# Altium PCB 20bit_40MS_ADC_DIOT_iso.PcbDoc (part 1 of 3) (continued)
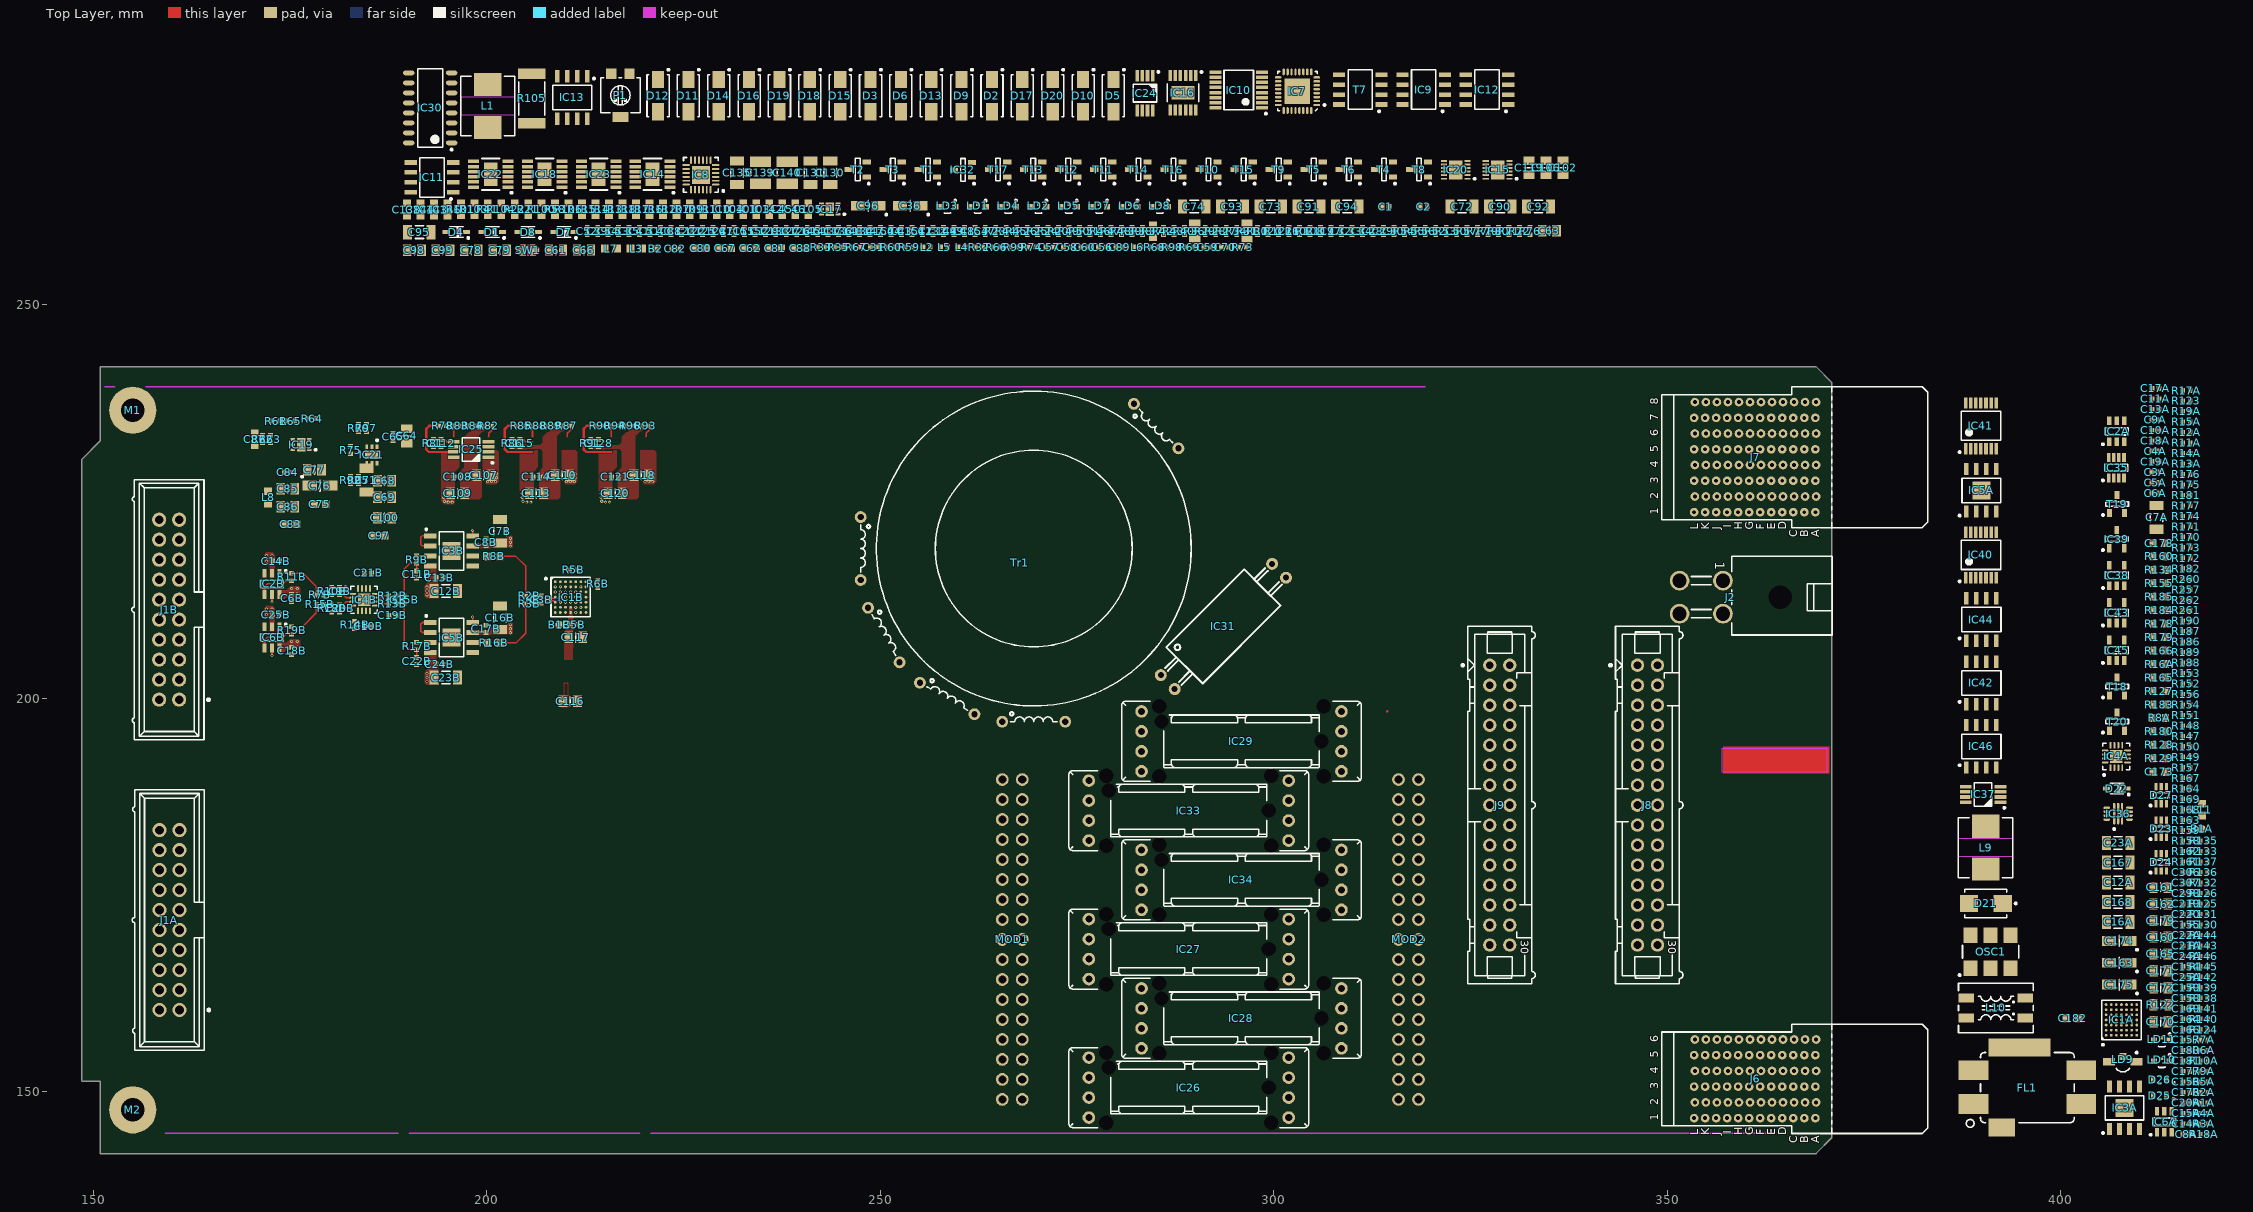
[diagram p0: Top Layer view]
## Components (designator, comment, footprint, x,y, rotation, side; value= is the part's Value field where it differs from the comment) (continued)
C75 "4.7uF" CAPC1608X90N 178.8,224.6 r0 top
C76 "10uF" CAPMP3216X180N 178.8,227 r0 top
C77 "10uF" CAPC2012X95N 178.1,229 r0 top
C78 "10uF" CAPC2012X95N 198.028,256.885 r180 top
C79 "10uF" CAPC2012X95N 201.639,256.885 r180 top
C80 "4.7uF" CAPC1608X90N 227.154,257.135 r180 top
C81 "4.7uF" CAPC1608X90N 236.637,257.135 r180 top
C82 "100nF" CAPC1005X55N 223.943,257.11 r180 top
C83 "4.7uF" CAPC1608X90N 175.1,222.1 r0 top
C84 "10nF" CAPC1005X55N 174.7,228.7 r180 top
C85 "10uF" CAPC2012X95N 174.7,226.6 r180 top
C86 "10uF" CAPC2012X95N 174.7,224.3 r180 top
C87 "4.7uF" CAPC1608X90N 170.5,232.9 r90 top
C88 "4.7uF" CAPC1608X90N 239.799,257.135 r180 top
C89 "10nF" CAPC1005X55N 280.425,257.3 r180 top
C90 "47uF" CAPC3216X180N 328.784,262.454 r180 top
C91 "47uF" CAPC3216X180N 304.478,262.454 r180 top
C92 "47uF" CAPC3216X180N 333.645,262.454 r180 top
C93 "47uF" CAPC3216X180N 294.755,262.454 r180 top
C94 "47uF" CAPC3216X180N 309.339,262.454 r180 top
C95 "47uF" CAPC3216X180N 191.431,259.193 r180 top
C96 "10uF" CAPMP3216X180N 248.486,262.556 r180 top
C97 "4.7uF" CAPC1608X90N 186.3,220.6 r180 top
C98 "10uF" CAPC2012X95N 190.806,256.885 r180 top
C99 "10uF" CAPC2012X95N 194.417,256.885 r180 top
C100 "10uF" CAPC2012X95N 187,222.9 r0 top
C101 "4.7uF" CAPC1608X90N 232.561,262.129 r270 top
C102 "22uF" CAPC2012X135N 336.736,267.412 r270 top
C103 "4.7uF" CAPC1608X90N 234.222,262.129 r270 top
C104 "4.7uF" CAPC1608X90N 230.899,262.129 r270 top
C105 "4.7uF" CAPC1608X90N 240.867,262.129 r270 top
C106 "10uF" CAPC2012X95N 334.599,267.387 r270 top
C107 "10uF" CAPC2012X95N 199.6,228.3 r0 top
C108 "10nF" CAPC1005X55N 196.3,228.1 r180 top
C109 "10uF" CAPC2012X95N 196.3,226 r180 top
C110 "10uF" CAPC2012X95N 209.6,228.3 r0 top
C111 "10nF" CAPC1005X55N 231.396,259.333 r270 top
C112 "100nF" CAPC1005X55N 194.2,232.4 r90 top
C113 "47uF" CAPC2012X140N 206.3,226 r180 top
C114 "10nF" CAPC1005X55N 206.3,228.1 r180 top
C115 "100nF" CAPC1005X55N 204.2,232.4 r90 top
C116 "47uF" CAPC2012X140N 210.6,199.6 r180 top
C117 "10uF" CAPC2012X95N 211.3,207.7 r180 top
C118 "10uF" CAPC2012X95N 219.6,228.3 r0 top
C119 "10uF" CAPC2012X95N 332.438,267.387 r270 top
C120 "10uF" CAPC2012X95N 216.3,226 r180 top
C121 "100nF" CAPC1005X55N 216.3,228.1 r180 top
C122 "100nF" CAPC1005X55N 226.071,259.333 r270 top
C123 "1uF" CAPC1005X55N 224.74,259.333 r270 top
C124 "100nF" CAPC1005X55N 228.733,259.333 r270 top
C125 "1uF" CAPC1005X55N 227.402,259.333 r270 top
C126 "100nF" CAPC1005X55N 239.383,259.333 r270 top
C127 "100nF" CAPC1005X55N 238.052,259.333 r270 top
C128 "100nF" CAPC1005X55N 214.2,232.4 r90 top
C129 "1uF" CAPC1005X55N 235.389,259.333 r270 top
C130 "10uF" CAPC3216X180N 243.65,266.762 r270 top
C131 "47uF" CAPC3216X180N 241.139,266.762 r270 top
C132 "100nF" CAPC1005X55N 256.688,259.333 r270 top
C133 "100nF" CAPC1005X55N 236.72,259.333 r270 top
C134 "1uF" CAPC1005X55N 247.37,259.333 r270 top
C135 "10uF" CAPC3216X180N 231.805,266.762 r270 top
C136 "100nF" CAPC1005X55N 244.708,259.333 r270 top
C137 "100nF" CAPC1005X55N 243.376,259.333 r270 top
C138 "270pF" CAPC1608X87N 189.856,262.079 r270 top
C139 "220pF" CAPC3225X200N 234.766,266.762 r270 top
C140 "220pF" CAPC3225X200N 238.178,266.762 r270 top
C141 "100nF" CAPC1005X55N 242.045,259.333 r270 top
C142 "1nF" CAPC1608X90N 235.883,262.129 r270 top
C143 "1uF" CAPC1608X87N 193.278,262.079 r270 top
C144 "1uF" CAPC1608X87N 191.567,262.079 r270 top
C145 "100nF" CAPC1005X55N 240.714,259.333 r270 top
C146 "270pF" CAPC1608X87N 194.989,262.079 r270 top
C147 "100nF" CAPC1005X55N 248.701,259.333 r270 top
C148 "100nF" CAPC1005X55N 246.039,259.333 r270 top
C149 "100nF" CAPC1005X55N 258.02,259.333 r270 top
C150 "1uF" CAPC1005X55N 250.032,259.333 r270 top
C151 "100nF" CAPC1005X55N 254.026,259.333 r270 top
C152 "1uF" CAPC1005X55N 234.058,259.333 r270 top
C153 "100nF" CAPC1005X55N 262.013,259.333 r270 top
C154 "100nF" CAPC1005X55N 415.972,165.865 r180 top
C155 "100nF" CAPC1005X55N 415.972,171.19 r180 top
C156 "100nF" CAPC1005X55N 415.972,151.222 r180 top
C157 "100nF" CAPC1005X55N 415.972,156.546 r180 top
C158 "100nF" CAPC1005X55N 415.972,161.871 r180 top
C159 "100nF" CAPC1005X55N 415.972,163.202 r180 top
C160 "22uF" CAPC2012X135N 412.704,169.605 r180 top
C161 "22uF" CAPC2012X135N 412.704,175.938 r180 top
C162 "22uF" CAPC2012X135N 412.704,173.827 r180 top
C163 "10uF" CAPMP3216X180N 407.421,166.361 r180 top
C164 "100nF" CAPC1005X55N 415.972,159.209 r180 top
C165 "22uF" CAPC2012X135N 412.704,167.494 r180 top
C166 "100nF" CAPC1005X55N 415.972,157.878 r180 top
C167 "47uF" CAPC3216X180N 407.296,179.087 r180 top
C168 "47uF" CAPC3216X180N 407.296,174.064 r180 top
C169 "100nF" CAPC1005X55N 415.972,160.54 r180 top
C170 "10uF" CAPC2012X95N 412.729,158.874 r180 top
C171 "10uF" CAPC2012X95N 412.729,165.357 r180 top
C172 "10uF" CAPC2012X95N 412.729,163.196 r180 top
C173 "1uF" CAPC1608X87N 412.554,190.624 r180 top
C174 "4.7uF" CAPMP3216X180N 407.421,169.144 r180 top
C175 "10uF" CAPMP3216X180N 407.421,163.578 r180 top
C176 "100nF" CAPC1005X55N 415.972,149.89 r180 top
C177 "100nF" CAPC1005X55N 415.972,152.553 r180 top
C178 "4.7uF" CAPC1608X90N 412.504,219.689 r180 top
C179 "22uF" CAPC2012X135N 412.704,171.716 r180 top
C180 "100nF" CAPC1005X55N 415.972,155.215 r180 top
C181 "100nF" CAPC1005X55N 415.972,153.884 r180 top
C182 "1uF" CAPC1608X87N 401.5,159.3 r180 top
C219 "100nF" CAPC1005X55N 415.972,173.852 r180 top
C220 "100nF" CAPC1005X55N 415.972,172.521 r180 top
C298 "100nF" CAPC1005X55N 415.972,175.183 r180 top
C306 "100nF" CAPC1005X55N 415.972,177.846 r180 top
C307 "100nF" CAPC1005X55N 415.972,176.514 r180 top
D1 "BAT165" SOD2512X110N 200.698,259.22 r180 top
D2 "SS16" DIOM5127X229N 264.192,276.542 r270 top
D3 "SS16" DIOM5127X229N 248.76,276.542 r270 top
D4 "BAT165" SOD2512X110N 196.14,259.22 r180 top
D5 "SS16" DIOM5127X229N 279.624,276.542 r270 top
D6 "SS16" DIOM5127X229N 252.618,276.542 r270 top
D7 "BAT165" SOD2512X110N 209.814,259.22 r180 top
D8 "BAT165" SOD2512X110N 205.256,259.22 r180 top
D9 "SS16" DIOM5127X229N 260.334,276.542 r270 top
D10 "SS16" DIOM5127X229N 275.766,276.542 r270 top
D11 "SS16" DIOM5127X229N 225.612,276.542 r270 top
D12 "SS16" DIOM5127X229N 221.754,276.542 r270 top
D13 "SS16" DIOM5127X229N 256.476,276.542 r270 top
D14 "SS16" DIOM5127X229N 229.47,276.542 r270 top
D15 "SS16" DIOM5127X229N 244.902,276.542 r270 top
D16 "SS16" DIOM5127X229N 233.328,276.542 r270 top
D17 "SS16" DIOM5127X229N 268.05,276.542 r270 top
D18 "SS16" DIOM5127X229N 241.044,276.542 r270 top
D19 "SS16" DIOM5127X229N 237.186,276.542 r270 top
D20 "SS16" DIOM5127X229N 271.908,276.542 r270 top
D21 "SMBJ12A" DIOM5336X265N 390.483,173.906 r180 top
D22 "BAT165" SOD2512X110N 407.144,188.49 r180 top
D23 "PESD3V3L5UY" SOT65P210X110-6N 412.777,183.381 r90 top
D24 "PESD3V3L5UY" SOT65P210X110-6N 412.777,179.123 r90 top
D25 "CDBU0520-HF" SOD-523F 412.602,149.44 r180 top
D26 "CDBU0520-HF" SOD-523F 412.602,151.498 r180 top
D27 "PESD3V3L5UY" SOT65P210X110-6N 412.777,187.639 r90 top
FL1 "10A/50VDC" FIL_MURATA_BNX02 395.76,150.506 r180 top
IC1A "AD4080BBCZ" BGA49C65P7X7_500X500X138 407.719,159.095 r90 top (schematic designator IC1)
IC1B "AD4080BBCZ" BGA49C65P7X7_500X500X138 210.65,212.825 r0 top (schematic designator IC1)
IC2A "LT6236HS6#TRMPBF" SOT95P280X100-6N 407.119,233.899 r90 top (schematic designator IC2)
IC2B "LT6236HS6#TRMPBF" SOT95P280X100-6N 172.7,214.5 r270 top (schematic designator IC2)
IC3A "ADA4899-1YRDZ" SOIC127P600X175-9N-S229 408.119,147.929 r90 top (schematic designator IC3)
IC3B "ADA4899-1YRDZ" SOIC127P600X175-9N-S229 195.5,218.692 r0 top (schematic designator IC3)
IC4A "ADA4945-1ACPZ-R2" QFN50P300X300X80_HS-17N 407.071,192.573 r90 top (schematic designator IC4)
IC4B "ADA4945-1ACPZ-R2" QFN50P300X300X80_HS-17N 184.4,212.5 r0 top (schematic designator IC4)
IC5A "ADA4899-1YRDZ" SOIC127P600X175-9N-S229 389.908,226.39 r90 top (schematic designator IC5)
IC5B "ADA4899-1YRDZ" SOIC127P600X175-9N-S229 195.5,207.692 r0 top (schematic designator IC5)
IC6A "LT6236HS6#TRMPBF" SOT95P280X100-6N 413.177,146.156 r90 top (schematic designator IC6)
IC6B "LT6236HS6#TRMPBF" SOT95P280X100-6N 172.7,207.7 r270 top (schematic designator IC6)
IC7 "ADF4350BCPZ" QFN50P500X500X80-33N-S325 303.008,277.115 r180 top
IC8 "AD9508BCPZ" QFN50P400X400X80_HS-25N 227.196,266.487 r180 top
IC9 "FIN1027AMX" SOIC127P600X175-8N 319.049,277.317 r180 top
IC10 "74HC138PW" SOP65P640X110-16N 295.548,277.267 r180 top
IC11 "FIN1028MX" SOIC127P600X175-8N 193.029,266.164 r180 top
IC12 "FIN1028MX" SOIC127P600X175-8N 327.107,277.317 r180 top
IC13 "FIN1028MX" SOIC127P600X175-8N 210.859,276.317 r270 top
IC14 "LT3045EMSE" SOP65P490X110-13N-R175X294 221.061,266.564 r180 top
IC15 "LT3094EDD" SON45P300X300X80-13N-R175X248 328.454,267.114 r180 top
IC16 "LT3045EMSE" SOP65P490X110-13N-R175X294 288.465,276.917 r270 top
IC17 "LP5912-3.3DRVT" SON65P200X200X80-7N-R110X170 243.576,262.131 r180 top
IC18 "LT3045EMSE" SOP65P490X110-13N-R175X294 207.345,266.564 r180 top
IC19 "LP5912-3.3DRVT" SON65P200X200X80-7N-R110X170 176.4,232.2 r180 top
IC20 "LT3094EDD" SON45P300X300X80-13N-R175X248 323.121,267.114 r180 top
IC21 "LP5912-3.3DRVT" SON65P200X200X80-7N-R110X170 185.4,230.9 r270 top
IC22 "LT3045EMSE" SOP65P490X110-13N-R175X294 200.487,266.564 r180 top
IC23 "LT3045EMSE" SOP65P490X110-13N-R175X294 214.203,266.564 r180 top
IC24 "LTC6655BHMS8-3" SOP65P490X110-8N 283.632,276.867 r270 top
IC25 "LTC6655BHMS8-3" SOP65P490X110-8N 198,231.6 r180 top
IC26 "AFBR-390525RZ" BROADCOM_AFBR-390525RZ 289.2,150.5 r180 top
IC27 "AFBR-390525RZ" BROADCOM_AFBR-390525RZ 289.2,168.1 r180 top
IC28 "AFBR-390525RZ" BROADCOM_AFBR-390525RZ 295.9,159.3 r180 top
IC29 "AFBR-390525RZ" BROADCOM_AFBR-390525RZ 295.9,194.5 r180 top
IC30 "L6599AD" SOP127P600X175-16N 192.806,274.992 r180 top
IC31 "OPI1264C" OPI1264C 293.6,209.1 r225 top
IC32 "TL431AIDBZ" SOT95P237X112-3N 260.509,267.114 r180 top
IC33 "AFBR-390525RZ" BROADCOM_AFBR-390525RZ 289.2,185.7 r180 top
IC34 "AFBR-390525RZ" BROADCOM_AFBR-390525RZ 295.9,176.9 r180 top
IC35 "AD5662BRJZ-2500RL7" SOT65P280X145-8N 407.069,229.264 r90 top
IC36 "TPS62148RGX" TEXAS_RGX0011A 407.294,185.307 r90 top
IC37 "LM75AIMM/NOPB" SOP65P490X109-8N 390.133,187.75 r180 top
IC38 "MIC5219-3.3YM5" SOT95P280X145-5N 407.119,215.59 r90 top
IC39 "TL431AIDBZ" SOT95P237X112-3N 407.119,220.198 r90 top
IC40 "74HC4066PW" SOP65P640X110-14N 389.858,218.182 r90 top
IC41 "74HC4066PW" SOP65P640X110-14N 389.858,234.598 r90 top
IC42 "TLC555ID" SOIC127P600X175-8N 389.913,201.916 r90 top
IC43 "24AA02E48T-I/OT" SOT95P280X145-5N 407.119,210.832 r90 top
IC44 "24AA025E48-I/SN" SOIC127P600X175-8N 389.913,209.974 r90 top
IC45 "24AA02E48T-I/OT" SOT95P280X145-5N 407.119,206.074 r90 top
IC46 "24AA025E48-I/SN" SOIC127P600X175-8N 389.913,193.858 r90 top
J1A "Header 20" WURTH_61202021621 159.67,171.79 r90 top (schematic designator J1)
J1B "Header 20" WURTH_61202021621 159.63,211.23 r90 top (schematic designator J1)
J2 "Mini-Fit Jr.™" MOLEX_39-30-0040 354.327,212.814 r270 top locked
J6 "P1" AMPHENOL_10052825-101LF 361.165,151.613 r90 top locked
J7 "P6" AMPHENOL_10052838-101LF 361.165,230.613 r90 top locked
J8 "" 3M_N2530-6002RB 347.489,186.393 r270 top locked
J9 "" 3M_N2530-6002RB 328.719,186.392 r270 top locked
L1 "1.5uH" IND_WURTH_WE-LHMI_7050 200.115,275.24 r270 top
L2 "100nH" INDC1005X55N 255.882,257.3 r180 top
L3 "120R@100MHz" INDC1608X65N 218.995,257.11 r180 top
L4 "100nH" INDC1005X55N 260.344,257.3 r180 top
L5 "100nH" INDC1005X55N 258.113,257.3 r180 top
L6 "100nH" INDC1005X55N 282.656,257.3 r180 top
L7 "600R@100MHz" INDC1608X95N 215.759,257.11 r180 top
L8 "600R@100MHz" INDC1608X95N 172.2,225.5 r270 top
L9 "1.5uH" IND_WURTH_WE-LHMI_7050 390.458,180.991 r90 top
L10 "2x250uH" IND_WURTH_WE-SL2 391.76,160.615 r180 top
L11 "120R@100MHz" INDC1608X65N 417.943,185.822 r90 top
LD1 "Green" LED_AVAGO_HSME-C120 262.386,262.406 r180 top
LD2 "Green" LED_AVAGO_HSME-C120 270.102,262.406 r180 top
LD3 "Green" LED_AVAGO_HSME-C120 258.528,262.406 r180 top
LD4 "Green" LED_AVAGO_HSME-C120 266.244,262.406 r180 top
LD5 "Green" LED_AVAGO_HSME-C120 273.96,262.406 r180 top
LD6 "Green" LED_AVAGO_HSME-C120 281.676,262.406 r180 top
LD7 "Green" LED_AVAGO_HSME-C120 277.818,262.406 r180 top
LD8 "Green" LED_AVAGO_HSME-C120 285.534,262.406 r180 top
LD9 "Red" LED_AVAGO_HSMC-C110 407.894,153.787 r180 top
LD10 "Green" LED_AVAGO_HSME-C120 412.852,153.856 r180 top
LD11 "Green" LED_AVAGO_HSME-C120 412.852,156.489 r180 top
M1 "Plated Hole" MTG300_600 155.014,236.563 r0 top
M2 "Plated Hole" MTG300_600 155.014,147.663 r0 top
MOD1 "Optoisolator Module" Optoisolator_module 265.5,189.64 r270 top
MOD2 "Optoisolator Module" Optoisolator_module 318.4,149 r90 top
OSC1 "25MHz" OSC_PERICOM_FRETHE025 391.098,167.748 r90 top
P1 "10k" TRIM_BOURNS_3314G-1 216.972,276.59 r180 top
R1A "68" RESC1005X40N 418.203,148.559 r180 top (schematic designator R1)
R1B "68" RESC1005X40N 205.4,213 r0 bottom (schematic designator R1)
R2A "20" RESC1005X40N 418.203,149.89 r180 top (schematic designator R2)
R2B "20" RESC1005X40N 205.4,213 r0 top (schematic designator R2)
R3A "20" RESC1005X40N 418.203,145.897 r180 top (schematic designator R3)
R3B "20" RESC1005X40N 205.4,212 r0 top (schematic designator R3)
R4A "68" RESC1005X40N 418.203,147.228 r180 top (schematic designator R4)
R4B "68" RESC1005X40N 205.4,212 r0 bottom (schematic designator R4)
R5A "100" RESC1005X40N 418.203,151.222 r180 top (schematic designator R5)
R5B "100" RESC1005X40N 211,216.3 r0 top (schematic designator R5)
R6A "100" RESC1005X40N 418.203,155.215 r180 top (schematic designator R6)
R6B "100" RESC1005X40N 214.1,214.5 r90 top (schematic designator R6)
R7A "300" RESC1005X40N 418.203,156.546 r180 top (schematic designator R7)
R7B "300" RESC1005X40N 178.8,213.1 r0 top (schematic designator R7)
R8A "5R6" RESC1608X55N 412.529,197.468 r180 top (schematic designator R8)
R8B "5R6" RESC1608X55N 200.871,218 r0 top (schematic designator R8)
R9A "25R5" RESC1005X40N 418.203,152.553 r180 top (schematic designator R9)
R9B "25R5" RESC1005X40N 191.071,217.6 r90 top (schematic designator R9)
R10A "300" RESC1005X40N 418.203,153.884 r180 top (schematic designator R10)
R10B "300" RESC1005X40N 180.3,213.6 r90 top (schematic designator R10)
R11A "499" RESC1005X40N 415.972,232.425 r180 top (schematic designator R11)
R11B "499" RESC1005X40N 175.2,215.4 r90 top (schematic designator R11)
R12A "56" RESC1005X40N 415.972,233.756 r180 top (schematic designator R12)
R12B "56" RESC1005X40N 188,213 r0 top (schematic designator R12)
R13A "56" RESC1005X40N 415.972,229.762 r180 top (schematic designator R13)
R13B "56" RESC1005X40N 188,212 r0 top (schematic designator R13)
R14A "100k" RESC1005X40N 415.972,231.094 r180 top (schematic designator R14)
R14B "100k" RESC1005X40N 183.2,209.3 r270 top (schematic designator R14)
R15A "300" RESC1005X40N 415.972,235.087 r180 top (schematic designator R15)
R15B "300" RESC1005X40N 178.8,211.9 r0 top (schematic designator R15)
R16A "5R6" RESC1608X55N 412.529,204.313 r180 top (schematic designator R16)
R16B "5R6" RESC1608X55N 200.871,207 r0 top (schematic designator R16)
R17A "25R5" RESC1005X40N 415.972,239.081 r180 top (schematic designator R17)
R17B "25R5" RESC1005X40N 191.071,206.6 r90 top (schematic designator R17)
R18A "300" RESC1005X40N 418.203,144.566 r180 top (schematic designator R18)
R18B "300" RESC1005X40N 180.3,211.4 r270 top (schematic designator R18)
R19A "499" RESC1005X40N 415.972,236.418 r180 top (schematic designator R19)
R19B "499" RESC1005X40N 175.2,208.6 r90 top (schematic designator R19)
R20 "100k" RESC1005X40N 272.663,259.333 r270 top
R21 "845" RESC1608X55N 205.256,262.104 r270 top
R22 "316" RESC1608X55N 203.545,262.104 r270 top
R23 "5k1" RESC1005X40N 264.676,259.333 r270 top
R24 "100" RESC1005X40N 271.332,259.333 r270 top
R25 "100" RESC1005X40N 270,259.333 r270 top
R26 "100" RESC1005X40N 268.669,259.333 r270 top
R27 "100" RESC1005X40N 293.962,259.333 r270 top
R28 "100" RESC1005X40N 292.631,259.333 r270 top
R29 "100" RESC1005X40N 291.3,259.333 r270 top
R30 "100k" RESC1005X40N 297.956,259.333 r270 top
R31 "1M1" RESC2012X60N 296.624,259.333 r270 top
R32 "150k" RESC1005X40N 262.576,257.3 r180 top
R33 "1k5" RESC1005X40N 242.495,257.3 r180 top
R34 "36k" RESC1005X40N 295.293,259.333 r270 top
R35 "150k" RESC1005X40N 244.726,257.3 r180 top
R36 "10M" RESC2113X55N 289.968,259.333 r270 top
R37 "10k" RESC1608X55N 284.644,259.333 r270 top
R38 "33k" RESC1005X40N 283.312,259.333 r270 top
R39 "100k" RESC1005X40N 281.981,259.333 r270 top
R40 "100k" RESC1005X40N 288.637,259.333 r270 top
R41 "500" RESC1608X55N 200.123,262.104 r270 top
R42 "2k2" RESC1005X40N 285.975,259.333 r270 top
R43 "33k" RESC1005X40N 287.306,259.333 r270 top
R44 "11k" RESC1005X40N 266.007,259.333 r270 top
R45 "33k" RESC1005X40N 267.338,259.333 r270 top
R46 "2k2" RESC1005X40N 277.988,259.333 r270 top
R47 "3k" RESC1005X40N 279.319,259.333 r270 top
R48 "3k" RESC1005X40N 280.65,259.333 r270 top
R49 "499" RESC1005X40N 273.994,259.333 r270 top
R50 "499" RESC1005X40N 275.325,259.333 r270 top
R51 "499" RESC1005X40N 276.656,259.333 r270 top
R52 "499" RESC1005X40N 320.586,259.333 r270 top
R53 "11k" RESC1005X40N 321.917,259.333 r270 top
R54 "10k" RESC1005X40N 316.592,259.333 r270 top
R55 "10k" RESC1005X40N 317.924,259.333 r270 top
R56 "10k" RESC1005X40N 319.255,259.333 r270 top
R57 "10k" RESC1005X40N 324.58,259.333 r270 top
R58 "500" RESC1608X55N 208.679,262.104 r270 top
R59 "100k" RESC1005X40N 253.651,257.3 r180 top
R60 "100k" RESC1005X40N 251.42,257.3 r180 top
R61 "499" RESC1005X40N 173.2,235.2 r180 top
R62 "499" RESC1005X40N 171.5,232.9 r90 top
R63 "499" RESC1005X40N 172.5,232.9 r90 top
R64 "499" RESC1005X40N 177.8,235.5 r0 top
R65 "33k" RESC1005X40N 175.1,235.2 r180 top
R66 "11k" RESC1005X40N 264.807,257.3 r180 top
R67 "10k" RESC1005X40N 246.957,257.3 r180 top
R68 "10k" RESC1005X40N 284.888,257.3 r180 top
R69 "10k" RESC1005X40N 289.35,257.3 r180 top
R70 "10k" RESC1005X40N 183.7,234.3 r90 top
R71 "33k" RESC1005X40N 329.904,259.333 r270 top
R72 "3k" RESC1005X40N 331.235,259.333 r270 top
R73 "3k" RESC1005X40N 296.044,257.3 r180 top
R74 "33k" RESC1005X40N 269.269,257.3 r180 top
R75 "11k" RESC1005X40N 182.7,231.5 r90 top
R76 "3k" RESC1005X40N 332.567,259.333 r270 top
R77 "3k" RESC1005X40N 325.911,259.333 r270 top
R78 "499" RESC1005X40N 194.4,234.6 r180 top
R79 "390" RESC1005X40N 327.242,259.333 r270 top
R80 "390" RESC1005X40N 328.573,259.333 r270 top
R81 "47" RESC1005X40N 193.2,232.4 r90 top
R82 "47" RESC1005X40N 200.17,234.6 r0 top
R83 "1k" RESC1005X40N 196.3,234.6 r180 top
R84 "150" RESC1005X40N 198.2,234.6 r180 top
R85 "150" RESC1005X40N 204.4,234.6 r180 top
R86 "1k" RESC1005X40N 203.2,232.4 r90 top
R87 "390" RESC1005X40N 210.17,234.6 r0 top
R88 "390" RESC1005X40N 206.3,234.6 r180 top
R89 "47" RESC1005X40N 208.2,234.6 r180 top
R90 "47" RESC1005X40N 214.4,234.6 r180 top
R91 "150" RESC1005X40N 213.2,232.4 r90 top
R92 "1k" RESC1005X40N 182.7,227.7 r90 top
R93 "150" RESC1005X40N 220.17,234.6 r0 top
R94 "1k" RESC1005X40N 216.3,234.6 r180 top
R95 "390" RESC1005X40N 183.7,227.7 r90 top
R96 "390" RESC1005X40N 218.2,234.6 r180 top
R97 "47" RESC1005X40N 184.7,234.3 r90 top
R98 "47" RESC1005X40N 287.119,257.3 r180 top
R99 "150" RESC1005X40N 267.038,257.3 r180 top
R100 "47" RESC1608X55N 206.968,262.104 r270 top
R101 "47" RESC1608X55N 196.7,262.104 r270 top
R102 "100k" RESC1005X40N 303.28,259.333 r270 top
R103 "47" RESC1608X55N 198.412,262.104 r270 top
R104 "47" RESC1608X55N 201.834,262.104 r270 top
R105 "0R5" RESC6532X80N 205.725,276.19 r270 top
R106 "2k7" RESC1608X55N 210.39,262.104 r270 top
R107 "47" RESC1608X55N 224.08,262.104 r270 top
R108 "1k" RESC1005X40N 304.612,259.333 r270 top
R109 "47" RESC1608X55N 225.791,262.104 r270 top
R110 "47" RESC1608X55N 229.213,262.104 r270 top
R111 "47" RESC1608X55N 227.502,262.104 r270 top
R112 "1M" RESC1608X55N 222.368,262.104 r270 top
R113 "47" RESC1608X55N 215.524,262.104 r270 top
R114 "2k7" RESC1608X55N 213.812,262.104 r270 top
R115 "2k7" RESC1608X55N 212.101,262.104 r270 top
R116 "9k1" RESC1608X55N 220.657,262.104 r270 top
R117 "47" RESC1608X55N 218.946,262.104 r270 top
R118 "2k4" RESC1608X55N 217.235,262.104 r270 top
R119 "1k" RESC1005X40N 305.943,259.333 r90 top
R120 "150" RESC1005X40N 299.287,259.333 r90 top
R121 "1k" RESC1005X40N 300.618,259.333 r90 top
R122 "10M" RESC2113X55N 412.729,161.035 r180 top
R123 "10k" RESC1005X40N 415.972,237.75 r180 top
R124 "10k" RESC1005X40N 418.203,157.878 r180 top
R125 "470" RESC1005X40N 418.203,173.852 r180 top
R126 "10k" RESC1005X40N 418.203,175.183 r180 top
R127 "560k" RESC1608X55N 412.529,200.891 r180 top
R128 "49k9" RESC1608X55N 412.529,194.046 r180 top
R129 "150k" RESC1608X55N 412.529,192.335 r180 top
R130 "22" RESC1005X40N 418.203,171.19 r180 top
R131 "22" RESC1005X40N 418.203,172.521 r180 top
R132 "1k6" RESC1005X40N 418.203,176.514 r180 top
R133 "22" RESC1005X40N 418.203,180.508 r180 top
R134 "10k" RESC1608X55N 412.529,216.292 r180 top
R135 "0" RESC1005X40N 418.203,181.839 r180 top
R136 "22" RESC1005X40N 418.203,177.846 r180 top
R137 "0" RESC1005X40N 418.203,179.177 r180 top
R138 "22" RESC1005X40N 418.203,161.871 r180 top
R139 "499" RESC1005X40N 418.203,163.202 r180 top
R140 "10k" RESC1005X40N 418.203,159.209 r180 top
R141 "1k" RESC1005X40N 418.203,160.54 r180 top
R142 "100" RESC1005X40N 418.203,164.534 r180 top
R143 "0" RESC1005X40N 418.203,168.527 r180 top
R144 "0" RESC1005X40N 418.203,169.858 r180 top
R145 "0" RESC1005X40N 418.203,165.865 r180 top
R146 "0" RESC1005X40N 418.203,167.196 r180 top
R147 "0" RESC1005X40N 415.972,195.151 r180 top
R148 "0" RESC1005X40N 415.972,196.482 r180 top
R149 "0" RESC1005X40N 415.972,192.489 r180 top
R150 "0" RESC1005X40N 415.972,193.82 r180 top
R151 "0" RESC1005X40N 415.972,197.814 r180 top
R152 "0" RESC1005X40N 415.972,201.807 r180 top
R153 "22" RESC1005X40N 415.972,203.138 r180 top
R154 "200" RESC1005X40N 415.972,199.145 r180 top
R155 "10k" RESC1608X55N 412.529,214.58 r180 top
R156 "0" RESC1005X40N 415.972,200.476 r180 top
R157 "0" RESC1005X40N 415.972,191.158 r180 top
R158 "0" RESC1005X40N 415.972,181.839 r180 top
R159 "0" RESC1005X40N 415.972,183.17 r180 top
R160 "10k" RESC1608X55N 412.529,218.003 r180 top
R161 "0" RESC1005X40N 415.972,179.177 r180 top
R162 "0" RESC1005X40N 415.972,180.508 r180 top
R163 "0" RESC1005X40N 415.972,184.502 r180 top
R164 "0" RESC1005X40N 415.972,188.495 r180 top
R165 "10k" RESC1608X55N 412.529,202.602 r180 top
R166 "10k" RESC1608X55N 412.529,206.024 r180 top
R167 "0" RESC1005X40N 415.972,189.826 r180 top
R168 "0" RESC1005X40N 415.972,185.833 r180 top
R169 "0" RESC1005X40N 415.972,187.164 r180 top
R170 "0" RESC1005X40N 415.972,220.444 r180 top
R171 "0" RESC1005X40N 415.972,221.775 r180 top
R172 "0" RESC1005X40N 415.972,217.782 r180 top
R173 "0" RESC1005X40N 415.972,219.113 r180 top
R174 "0" RESC1005X40N 415.972,223.106 r180 top
R175 "0" RESC1005X40N 415.972,227.1 r180 top
R176 "0" RESC1005X40N 415.972,228.431 r180 top
R177 "0" RESC1005X40N 415.972,224.438 r180 top
R178 "10k" RESC1608X55N 412.529,209.447 r180 top
R179 "2k7" RESC1608X55N 412.529,207.736 r180 top
R180 "10k" RESC1608X55N 412.529,195.757 r180 top
R181 "0" RESC1005X40N 415.972,225.769 r180 top
R182 "0" RESC1005X40N 415.972,216.45 r180 top
R183 "2k7" RESC1608X55N 412.529,199.18 r180 top
R184 "10k" RESC1608X55N 412.529,211.158 r180 top
R185 "10k" RESC1608X55N 412.529,212.869 r180 top
R186 "0" RESC1005X40N 415.972,207.132 r180 top
R187 "0" RESC1005X40N 415.972,208.463 r180 top
R188 "0" RESC1005X40N 415.972,204.47 r180 top
R189 "0" RESC1005X40N 415.972,205.801 r180 top
R190 "0" RESC1005X40N 415.972,209.794 r180 top
R257 "0" RESC1005X40N 415.972,213.788 r180 top
R260 "0" RESC1005X40N 415.972,215.119 r180 top
R261 "0" RESC1005X40N 415.972,211.126 r180 top
R262 "0" RESC1005X40N 415.972,212.457 r180 top
SW1 "Switch" JUMPSMD0805_G50 205.225,256.91 r180 top
T1 "BSS138LT1G" SOT95P240X110-3N 256.051,267.164 r180 top
T2 "BSS138LT1G" SOT95P240X110-3N 247.135,267.164 r180 top
T3 "BSS138LT1G" SOT95P240X110-3N 251.593,267.164 r180 top
T4 "BSS138LT1G" SOT95P240X110-3N 314.005,267.164 r180 top
T5 "BSS138LT1G" SOT95P240X110-3N 305.089,267.164 r180 top
T6 "BSS138LT1G" SOT95P240X110-3N 309.547,267.164 r180 top
T7 "FDS9926A" SOIC127P600X175-8N 310.991,277.317 r180 top
T8 "BSS138LT1G" SOT95P240X110-3N 318.463,267.164 r180 top
T9 "BSS138LT1G" SOT95P240X110-3N 300.631,267.164 r180 top
T10 "BSS138LT1G" SOT95P240X110-3N 291.715,267.164 r180 top
T11 "BSS138LT1G" SOT95P240X110-3N 278.341,267.164 r180 top
T12 "BSS138LT1G" SOT95P240X110-3N 273.883,267.164 r180 top
T13 "BSS138LT1G" SOT95P240X110-3N 269.425,267.164 r180 top
T14 "BSS138LT1G" SOT95P240X110-3N 282.799,267.164 r180 top
T15 "BSS138LT1G" SOT95P240X110-3N 296.173,267.164 r180 top
T16 "BSS138LT1G" SOT95P240X110-3N 287.257,267.164 r180 top
T17 "BSS138LT1G" SOT95P240X110-3N 264.967,267.164 r180 top
T18 "BSS138LT1G" SOT95P240X110-3N 407.169,201.466 r90 top
T19 "BSS138LT1G" SOT95P240X110-3N 407.169,224.656 r90 top
T20 "BSS138LT1G" SOT95P240X110-3N 407.169,197.008 r90 top
Tr1 "RTNC-40X25X15(M-083)" RTNC-40X25X15(M-083) 269.5,219 r225 top

## Footprints (in the part's own frame and the unit in brackets; to place one, negate y for a bottom-side part, rotate by r counter-clockwise, add the part's x,y. Pads: shape width x height; smd on the part's side, far side on the other; paste and mask are expansions set on the pad)
3M_N2530-6002RB [mm] "30 Contacts - Straight .100\" x .100\" Low Profile Four-Wall Header"
  round 1.7 hole 1: 1(-17.78,-1.27) 2(-17.78,1.27) 3(-15.24,-1.27) 4(-15.24,1.27) 5(-12.7,-1.27) 6(-12.7,1.27) 7(-10.16,-1.27) 8(-10.16,1.27) 9(-7.62,-1.27) 10(-7.62,1.27) 11(-5.08,-1.27) 12(-5.08,1.27) 13(-2.54,-1.27) 14(-2.54,1.27) 15(0,-1.27) 16(0,1.27) 17(2.54,-1.27) 18(2.54,1.27) 19(5.08,-1.27) 20(5.08,1.27) 21(7.62,-1.27) 22(7.62,1.27) 23(10.16,-1.27) 24(10.16,1.27) 25(12.7,-1.27) 26(12.7,1.27) 27(15.24,-1.27) 28(15.24,1.27) 29(17.78,-1.27) 30(17.78,1.27)
  silkscreen extent -22.71,-4.85 22.71,4.52, body extent -22.71,-4.11 22.71,4.52, height 9.91
AMPHENOL_10052825-101LF [mm] "72 Contacts, 2mm Pitch, 6 Columns, 4 Pairs per Column, 4 Walls, Right Angle Header"
  round 1.1 hole 0.5: A1(-5,-7.65) A2(-3,-7.75) A3(-1,-7.65) A4(1,-7.75) A5(3,-7.65) A6(5,-7.75) B1(-5,-6.25) B2(-3,-6.35) B3(-1,-6.25) B4(1,-6.35) B5(3,-6.25) B6(5,-6.35) C1(-5,-4.85) C2(-3,-4.95) C3(-1,-4.85) C4(1,-4.95) C5(3,-4.85) C6(5,-4.95) D1(-5,-3.45) D2(-3,-3.55) D3(-1,-3.45) D4(1,-3.55) D5(3,-3.45) D6(5,-3.55) E1(-5,-2.05) E2(-3,-2.15) E3(-1,-2.05) E4(1,-2.15) E5(3,-2.05) E6(5,-2.15) F1(-5,-0.65) F2(-3,-0.75) F3(-1,-0.65) F4(1,-0.75) F5(3,-0.65) F6(5,-0.75) G1(-5,0.75) G2(-3,0.65) G3(-1,0.75) G4(1,0.65) G5(3,0.75) G6(5,0.65) H1(-5,2.15) H2(-3,2.05) H3(-1,2.15) H4(1,2.05) H5(3,2.15) H6(5,2.05) I1(-5,3.55) I2(-3,3.45) I3(-1,3.55) I4(1,3.45) I5(3,3.55) I6(5,3.45) J1(-5,4.95) J2(-3,4.85) J3(-1,4.95) J4(1,4.85) J5(3,4.95) J6(5,4.85) K1(-5,6.35) K2(-3,6.25) K3(-1,6.35) K4(1,6.25) K5(3,6.35) K6(5,6.25) L1(-5,7.75) L2(-3,7.65) L3(-1,7.75) L4(1,7.65) L5(3,7.75) L6(5,7.65)
  silkscreen extent -6.95,-21.95 6.95,11.85, body extent -6.95,-21.95 6.95,11.85, height 15.25
AMPHENOL_10052838-101LF [mm] "96 Contacts, 2mm Pitch, 8 Columns, 4 Pairs per Column, 4 Walls, Right Angle Header"
  round 1.1 hole 0.5: A1(-7,-7.65) A2(-5,-7.75) A3(-3,-7.65) A4(-1,-7.75) A5(1,-7.65) A6(3,-7.75) A7(5,-7.65) A8(7,-7.75) B1(-7,-6.25) B2(-5,-6.35) B3(-3,-6.25) B4(-1,-6.35) B5(1,-6.25) B6(3,-6.35) B7(5,-6.25) B8(7,-6.35) C1(-7,-4.85) C2(-5,-4.95) C3(-3,-4.85) C4(-1,-4.95) C5(1,-4.85) C6(3,-4.95) C7(5,-4.85) C8(7,-4.95) D1(-7,-3.45) D2(-5,-3.55) D3(-3,-3.45) D4(-1,-3.55) D5(1,-3.45) D6(3,-3.55) D7(5,-3.45) D8(7,-3.55) E1(-7,-2.05) E2(-5,-2.15) E3(-3,-2.05) E4(-1,-2.15) E5(1,-2.05) E6(3,-2.15) E7(5,-2.05) E8(7,-2.15) F1(-7,-0.65) F2(-5,-0.75) F3(-3,-0.65) F4(-1,-0.75) F5(1,-0.65) F6(3,-0.75) F7(5,-0.65) F8(7,-0.75) G1(-7,0.75) G2(-5,0.65) G3(-3,0.75) G4(-1,0.65) G5(1,0.75) G6(3,0.65) G7(5,0.75) G8(7,0.65) H1(-7,2.15) H2(-5,2.05) H3(-3,2.15) H4(-1,2.05) H5(1,2.15) H6(3,2.05) H7(5,2.15) H8(7,2.05) I1(-7,3.55) I2(-5,3.45) I3(-3,3.55) I4(-1,3.45) I5(1,3.55) I6(3,3.45) I7(5,3.55) I8(7,3.45) J1(-7,4.95) J2(-5,4.85) J3(-3,4.95) J4(-1,4.85) J5(1,4.95) J6(3,4.85) J7(5,4.95) J8(7,4.85) K1(-7,6.35) K2(-5,6.25) K3(-3,6.35) K4(-1,6.25) K5(1,6.35) K6(3,6.25) K7(5,6.35) K8(7,6.25) L1(-7,7.75) L2(-5,7.65) L3(-3,7.75) L4(-1,7.65) L5(1,7.75) L6(3,7.65) L7(5,7.75) L8(7,7.65)
  silkscreen extent -8.95,-21.95 8.95,11.85, body extent -8.95,-21.95 8.95,11.85, height 15.25
BGA49C65P7X7_500X500X138 [mm] "BGA, 49-Leads, Body 5.00x5.00mmx1.38mm, Pitch 0.65mm"
  round 0.35 smd: A1(-1.95,1.95) A2(-1.3,1.95) A3(-0.65,1.95) A4(0,1.95) A5(0.65,1.95) A6(1.3,1.95) A7(1.95,1.95) B1(-1.95,1.3) B2(-1.3,1.3) B3(-0.65,1.3) B4(0,1.3) B5(0.65,1.3) B6(1.3,1.3) B7(1.95,1.3) C1(-1.95,0.65) C2(-1.3,0.65) C3(-0.65,0.65) C4(0,0.65) C5(0.65,0.65) C6(1.3,0.65) C7(1.95,0.65) D1(-1.95,0) D2(-1.3,0) D3(-0.65,0) D4(0,0) D5(0.65,0) D6(1.3,0) D7(1.95,0) E1(-1.95,-0.65) E2(-1.3,-0.65) E3(-0.65,-0.65) E4(0,-0.65) E5(0.65,-0.65) E6(1.3,-0.65) E7(1.95,-0.65) F1(-1.95,-1.3) F2(-1.3,-1.3) F3(-0.65,-1.3) F4(0,-1.3) F5(0.65,-1.3) F6(1.3,-1.3) F7(1.95,-1.3) G1(-1.95,-1.95) G2(-1.3,-1.95) G3(-0.65,-1.95) G4(0,-1.95) G5(0.65,-1.95) G6(1.3,-1.95) G7(1.95,-1.95)
  silkscreen extent -3.27,-2.5 2.5,2.5, body extent -2.5,-2.5 2.5,2.5, height 1.38
BROADCOM_AFBR-390525RZ [mm] "BROADCOM AFBR-390525RZ Case, Body 30.46mm L X 10.16mm W X 6.7mm H"
  round 1.6 hole 0.9: 1(-12.7,3.81) 2(-12.7,1.27) 3(-12.7,-1.27) 4(-12.7,-3.81) 5(12.7,3.81) 6(12.7,1.27) 7(12.7,-1.27) 8(12.7,-3.81)
  round 1 hole 1.85 unplated mask+0.425: 9(-10.47,4.45) 11(-10.47,-4.45) 12(10.47,4.45) 14(10.47,-4.45)
  round 1 hole 1.8 unplated mask+0.4: 10(-10.16,0) 13(10.16,-2.54)
  silkscreen extent -15.23,-5.08 15.23,5.08, body extent -15.23,-5.08 15.23,5.08, height 6.7
C100 [mm] "1mm Diameter SMD Pad"
  round 1 smd paste-0.5: 1(0,0)
CAPC1005X55N [mm] "Capacitor, Non-Polarized, Chip; 1.00mm L X 0.50mm W X 0.70mm H, IPC Medium Density"
  rect 0.62x0.62 smd: 1(-0.45,0) 2(0.45,0)
  body extent -0.52,-0.27 0.53,0.28, height 0.55
CAPC1608X87N [mm] "Chip Capacitor, Body 1.6x0.8mm IPC Medium Density"
  rect 0.95x1 smd: 1(-0.8,0) 2(0.8,0)
  body extent -0.87,-0.47 0.88,0.48, height 0.87
CAPC1608X90N [mm] "Chip Capacitor, Body 1.6x0.8mm IPC Medium Density"
  rect 0.95x0.95 smd: 1(-0.75,0) 2(0.75,0)
  body extent -0.85,-0.45 0.85,0.45, height 0.9